# Altium PCB rezerv.PcbDoc (part 1 of 2) (continued)
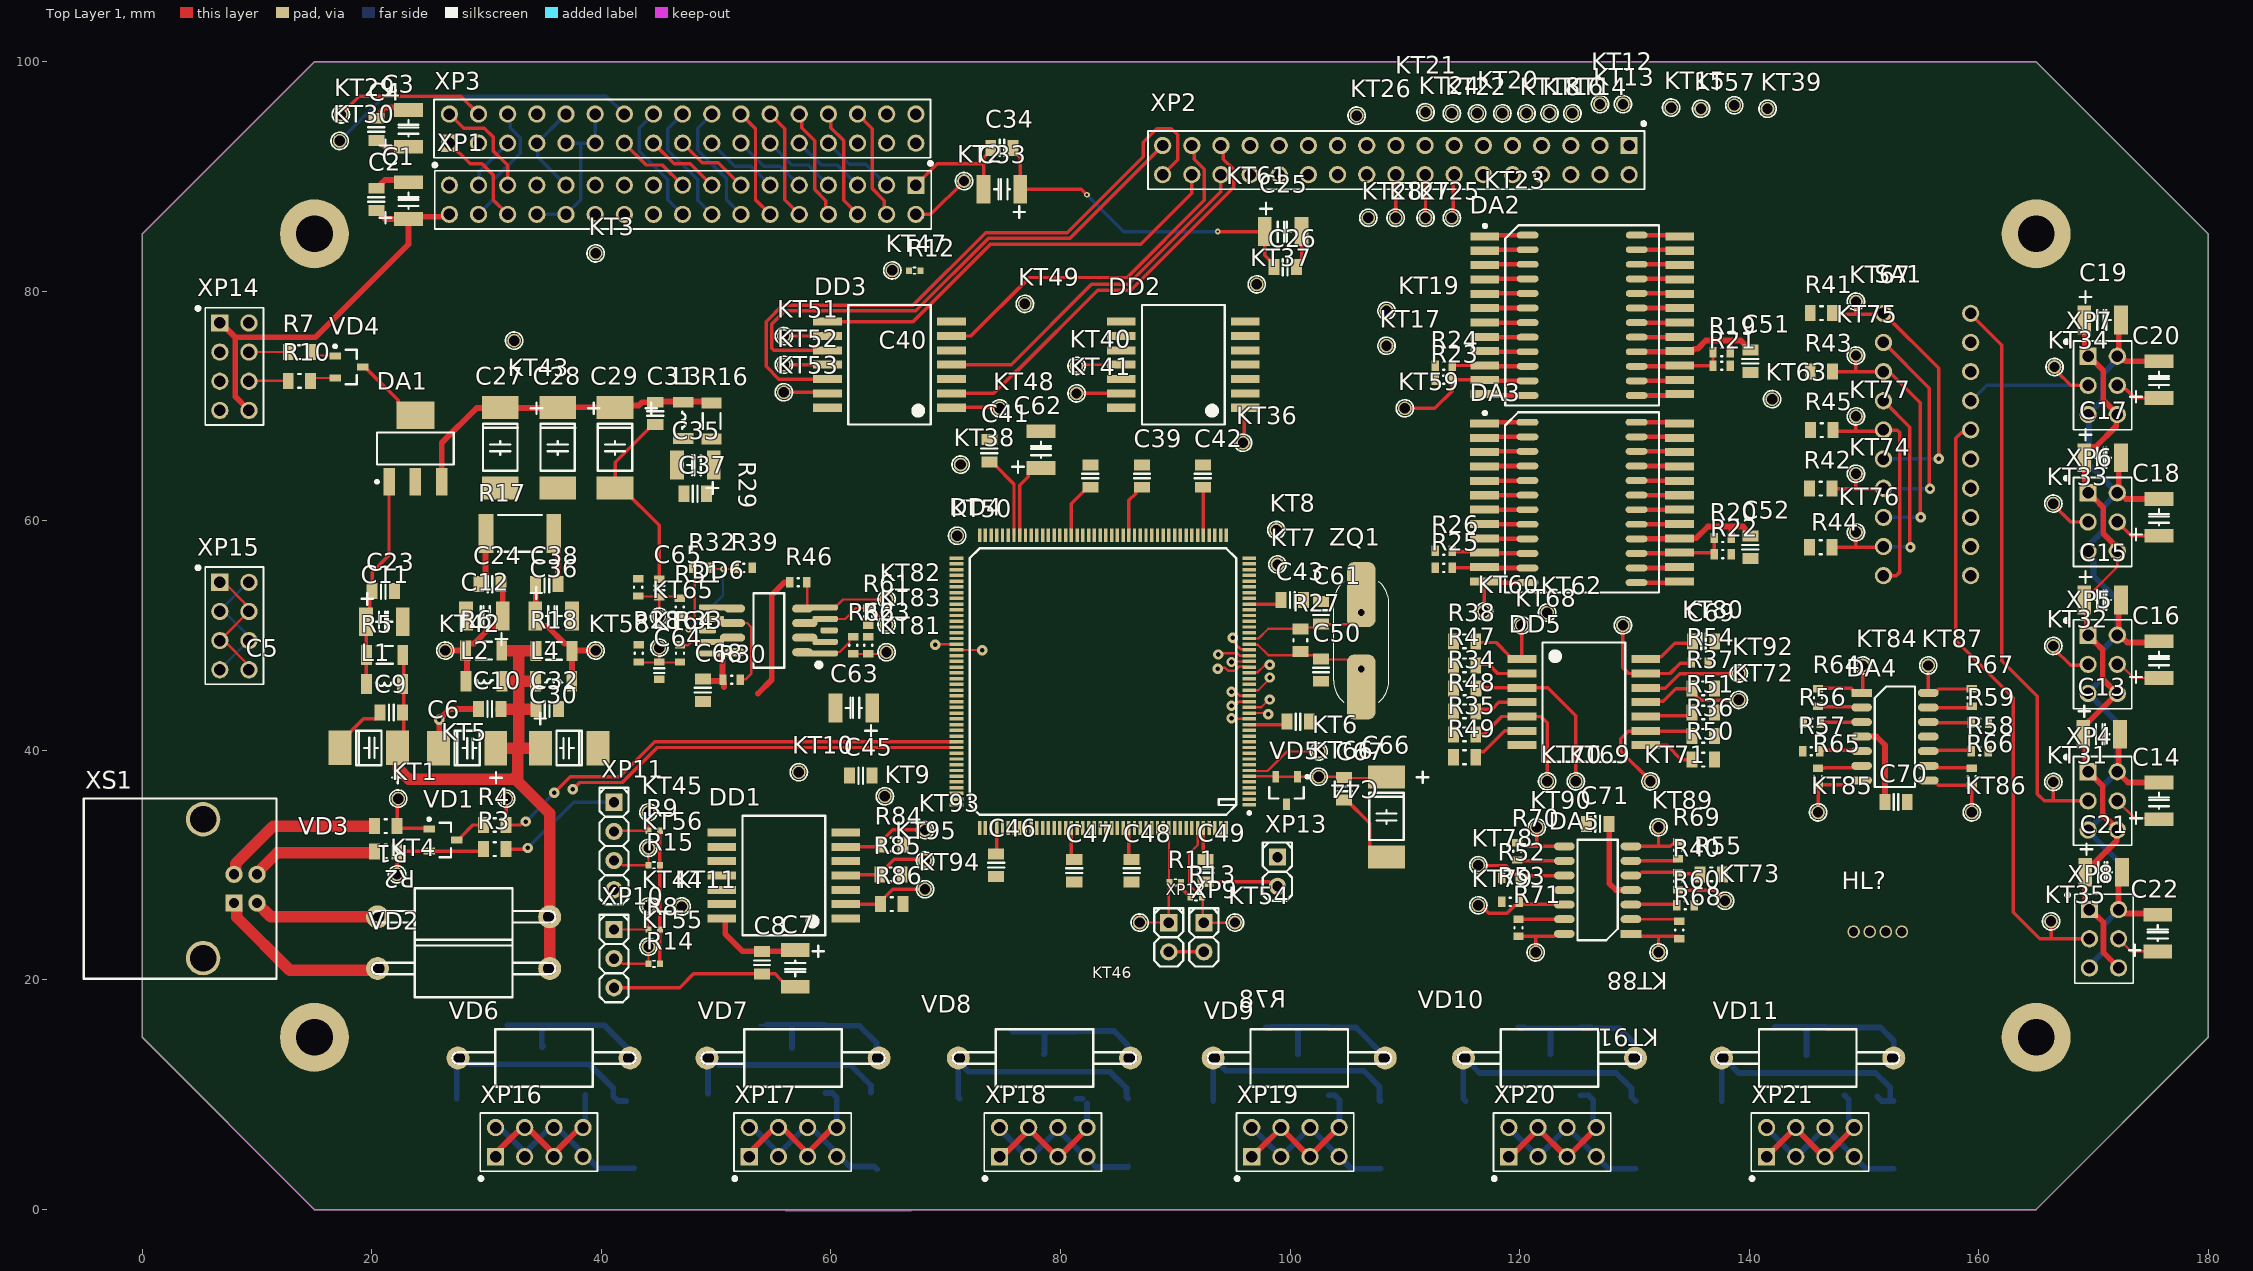
[diagram p0: Top Layer 1 view]
## Part data (continued)
HL?: library part 90, "Светодиод RGB с общим анодом BL-L515RGBW-CA", Manufacturer="Betlux Electronics", Package=6mm, PartNumber="Светодиод BL-L515RGBW-CС", ComponentLink1Description=BL-L515, ComponentLink1URL="\\192.168.0.101\U_Base\PDF\V\BetLux Electronics.pdf", DataSheet="#\\192.168.0.101\U_Base\PDF\V\BetLux Electronics.pdf#", Group=Светодиоды, HelpURL="\\192.168.0.101\U_Base\PDF\V\BetLux Electronics.pdf", Key=90, MilitaryControl=ОТК, Modify=14.03.2019, MountType=РМ, Name=BL-L515, Notice="Betlux Electronics", SolderName=BL-L515, ViewControl="В, 10%", X_SORT_1=500, X_SORT_2=301, X_SORT_3=1
KT1 KT2 KT3 KT4 KT5 KT6 KT7 KT8 KT9 KT10 KT11 KT12 KT13 KT14 KT15 KT16 KT17 KT18 KT19 KT20 KT21 KT22 KT23 KT24 KT25 KT26 KT27 KT28 KT29 KT30 KT31 KT32 KT33 KT34 KT35 KT36 KT37 KT38 KT39 KT40 KT41 KT42 KT43 KT44 KT45 KT46 KT47 KT48 KT49 KT50 KT51 KT52 KT53 KT54 KT55 KT56 KT57 KT58 KT59 KT60 KT61 KT62 KT63 KT64 KT65 KT66 KT67 KT68 KT69 KT70 KT71 KT72 KT73 KT74 KT75 KT76 KT77 KT78 KT79 KT80 KT81 KT82 KT83 KT84 KT85 KT86 KT87 KT88 KT89 KT90 KT91 KT92 KT93 KT94 KT95: library part 4, PartNumber=Контакт, Key=4, SolderName=Kontakt
L1 L2 L3 L4: library part 4177, CurrentLimit=1,5, Manufacturer=Murata, Package="1206 (3216)", PartNumber=BLM31PG601SH1, TemperatureRange="от минус 55 до 125", CardKRR=86, ComponentLink1URL=\\192.168.0.253\U_Base\PDF\L\BLM31PG.pdf, DataSheet=#\\192.168.0.253\U_Base\PDF\L\BLM31PG.pdf#, Group=Индуктивности, HelpURL=\\192.168.0.253\U_Base\PDF\L\BLM31PG.pdf, Key=4177, Mass=0,025, MilitaryControl=ОТК, Modify=20.02.2019, MountType=ПМ, Name=BLM31PG601SH1, Notice=Murata, SolderName=BLM31PG601SH1, ViewControl="В, 10%", X_SORT_1=300, X_SORT_2=701, X_SORT_3=1
R1 R2 R7 R10: library part 2235, Manufacturer="АО «Ресурс»", ManufacturerTU=ШКАБ.434110.020ТУ, Package="0805 (2012)", PartNumber="Перемычка Р1-23-0805", PowerLimit=0,125, SolderTemperature=175, TemperatureRange="от минус 65 до 155", VoltageLimit=150, Alternative="0805 0 Ом", CardKRR=68, ComponentLink1Description=Р1-23, ComponentLink1URL=\\192.168.0.101\U_Base\PDF\R\Р1-23.pdf, DataSheet=#\\192.168.0.101\U_Base\PDF\R\Р1-23.pdf#, Group=Резисторы, HelpURL=\\192.168.0.101\U_Base\PDF\R\Р1-23.pdf, Key=2235, Mark=0, Mass=0,006, MilitaryControl=ВП, Modify=17.10.2018, MountType=ПМ, Name=Р1-23, SolderName=R1-23-0805, ViewControl="В, 10%", X_SORT_1=400, X_SORT_2=100, X_SORT_3=1
R3: library part 2960, Manufacturer="АО «НПО «Эркон»", ManufacturerTU=ОЖ0.467.164ТУ, Package="0805 (2012)", PartNumber="Р1-8В-0,125-1,5 кОм±5 %-Т-А", PowerLimit=0,125, SolderTemperature=255, TemperatureRange="от минус 65 до 155", VoltageLimit=150, Alternative="0805 1,5 кОм, 0,125 Вт, ±5 %", Alternative2="Р1-8В-0,125-1,5 кОм±5 %-Т-А ОЖ0.467.164ТУ", CardKRR=68, ComponentLink1Description=Р1-8В, ComponentLink1URL=\\192.168.0.101\U_Base\PDF\R\Р1-8В.pdf, DataSheet=#\\192.168.0.101\U_Base\PDF\R\Р1-8В.pdf#, Group=Резисторы, HelpURL=\\192.168.0.101\U_Base\PDF\R\Р1-8В.pdf, Key=2960, Mark=152, Mass=0,006, MilitaryControl=ВП, Modify=28.06.2019, MountType=ПМ, Name=Р1-8В, SolderName=R1-8B-0.125-1.5kOm, ViewControl="В, 10%", X_SORT_1=400, X_SORT_2=100, X_SORT_3=1
R4: library part 2965, Manufacturer="АО «НПО «Эркон»", ManufacturerTU=ОЖ0.467.164ТУ, Package="0805 (2012)", PartNumber="Р1-8В-0,125-100 кОм±5 %-Т-А", PowerLimit=0,125, SolderTemperature=255, TemperatureRange="от минус 65 до 155", VoltageLimit=150, Alternative="0805 100 кОм, 0,125 Вт, ±5 %", Alternative2="Р1-8В-0,125-100 кОм±5 %-Т-А ОЖ0.467.164ТУ", CardKRR=68, ComponentLink1Description=Р1-8В, ComponentLink1URL=\\192.168.0.101\U_Base\PDF\R\Р1-8В.pdf, DataSheet=#\\192.168.0.101\U_Base\PDF\R\Р1-8В.pdf#, Group=Резисторы, HelpURL=\\192.168.0.101\U_Base\PDF\R\Р1-8В.pdf, Key=2965, Mark=104, Mass=0,006, MilitaryControl=ВП, Modify=28.06.2019, MountType=ПМ, Name=Р1-8В, SolderName=R1-8B-0.125-100kOm, ViewControl="В, 10%", X_SORT_1=400, X_SORT_2=100, X_SORT_3=1
R5 R6 R16 R18: library part 3037, Manufacturer="АО «НПО «Эркон»", ManufacturerTU=ОЖ0.467.164ТУ, Package="1206 (3216)", PartNumber="Р1-8В-0,25-100 Ом±5 %-Т-А", PowerLimit=0,25, SolderTemperature=255, TemperatureRange="от минус 65 до 155", VoltageLimit=200, Alternative="1206 100 Ом, 0,25 Вт, ±5 %", Alternative2="Р1-8В-0,25-100 Ом±5 %-Т-А ОЖ0.467.164ТУ", CardKRR=68, ComponentLink1Description=Р1-8В, ComponentLink1URL=\\192.168.0.253\U_Base\PDF\R\Р1-8В.pdf, DataSheet=\\192.168.0.253\U_Base\PDF\R\Р1-8В.pdf, Group=Резисторы, HelpURL=\\192.168.0.253\U_Base\PDF\R\Р1-8В.pdf, Key=3037, Mark=101, Mass=0,01, MilitaryControl=ВП, Modify=28.06.2019, MountType=ПМ, Name=Р1-8В, SolderName=R1-8B-0.25-100Om, ViewControl="В, 10%", X_SORT_1=400, X_SORT_2=100, X_SORT_3=1
R8 R9 R11 R12 R13 R14 R15: library part 2905, Manufacturer="АО «НПО «Эркон»", ManufacturerTU=ОЖ0.467.164ТУ, Package="0402 (1005)", PartNumber="Р1-8В-0,063-10 кОм±5 %-Т-А", PowerLimit=0,063, SolderTemperature=255, TemperatureRange="от минус 65 до 155", VoltageLimit=50, Alternative="0402 10 кОм, 0,062 Вт, ±5 %", Alternative2="Р1-8В-0,062-10 кОм±5 %-Т-А ОЖ0.467.164ТУ", CardKRR=68, ComponentLink1Description=Р1-8В, ComponentLink1URL=\\192.168.0.253\U_Base\PDF\R\Р1-8В.pdf, DataSheet=#\\192.168.0.253\U_Base\PDF\R\Р1-8В.pdf#, Group=Резисторы, HelpURL=\\192.168.0.253\U_Base\PDF\R\Р1-8В.pdf, Key=2905, Mark=103, Mass=0,0007, MilitaryControl=ВП, Modify=28.06.2019, MountType=ПМ, Name=Р1-8В, SolderName=R1-8B-0.063-10kOm, ViewControl="В, 10%", X_SORT_1=400, X_SORT_2=100, X_SORT_3=1
R17 R72 R73 R74 R75 R76 R77 R78 R79 R80 R81 R82 R83 R87 R88 R89 R90 R91 R92 R93 R94 R95 R96 R97 R98: library part 3121, Manufacturer="АО «НПО «Эркон»", ManufacturerTU=ОЖ0.467.164ТУ, Package="2512 (6432)", PartNumber="Р1-8В-1,0-0,15 Ом±20 %-А", PowerLimit=1, SolderTemperature=255, TemperatureRange="от минус 65 до 155", VoltageLimit=200, Alternative="2512 0,15 Ом, 1 Вт, ±5 %", Alternative2="Р1-8В-1,0-0,15 Ом±20 %-А ОЖ0.467.164ТУ", CardKRR=68, ComponentLink1Description=Р1-8В, ComponentLink1URL=\\192.168.0.253\U_Base\PDF\R\Р1-8В.pdf, DataSheet=\\192.168.0.253\U_Base\PDF\R\Р1-8В.pdf, Group=Резисторы, HelpURL=\\192.168.0.253\U_Base\PDF\R\Р1-8В.pdf, Key=3121, Mark=0R15, Mass=0,04, MilitaryControl=ВП, Modify=28.06.2019, MountType=ПМ, Name=Р1-8В, SolderName=R1-8B-1.0-0.15Om, ViewControl="В, 10%", X_SORT_1=400, X_SORT_2=100, X_SORT_3=1
R19 R20: library part 2939, Manufacturer="АО «НПО «Эркон»", ManufacturerTU=ОЖ0.467.164ТУ, Package="0603 (1608)", PartNumber="Р1-8В-0,1-1 кОм±5 %-Т-А", PowerLimit=0,1, SolderTemperature=255, TemperatureRange="от минус 65 до 155", VoltageLimit=100, Alternative="0603 1 кОм, 0,1 Вт, ±5 %", Alternative2="Р1-8В-0,1-1 кОм±5 %-Т-А ОЖ0.467.164ТУ", CardKRR=68, ComponentLink1Description=Р1-8В, ComponentLink1URL=\\192.168.0.253\U_Base\PDF\R\Р1-8В.pdf, DataSheet=\\192.168.0.253\U_Base\PDF\R\Р1-8В.pdf, Group=Резисторы, HelpURL=\\192.168.0.253\U_Base\PDF\R\Р1-8В.pdf, Key=2939, Mark=102, Mass=0,002, MilitaryControl=ВП, Modify=28.06.2019, MountType=ПМ, Name=Р1-8В, SolderName=R1-8B-0.1-1kOm, ViewControl="В, 10%", X_SORT_1=400, X_SORT_2=100, X_SORT_3=1
R21 R22: library part 2945, Manufacturer="АО «НПО «Эркон»", ManufacturerTU=ОЖ0.467.164ТУ, Package="0603 (1608)", PartNumber="Р1-8В-0,1-100 кОм±5 %-Т-А", PowerLimit=0,1, SolderTemperature=255, TemperatureRange="от минус 65 до 155", VoltageLimit=100, Alternative="0603 100 кОм, 0,1 Вт, ±5 %", Alternative2="Р1-8В-0,1-100 кОм±5 %-Т-А ОЖ0.467.164ТУ", CardKRR=68, ComponentLink1Description=Р1-8В, ComponentLink1URL=\\192.168.0.253\U_Base\PDF\R\Р1-8В.pdf, DataSheet=\\192.168.0.253\U_Base\PDF\R\Р1-8В.pdf, Group=Резисторы, HelpURL=\\192.168.0.253\U_Base\PDF\R\Р1-8В.pdf, Key=2945, Mark=104, Mass=0,002, MilitaryControl=ВП, Modify=28.06.2019, MountType=ПМ, Name=Р1-8В, SolderName=R1-8B-0.1-100kOm, ViewControl="В, 10%", X_SORT_1=400, X_SORT_2=100, X_SORT_3=1
R23 R24 R25 R26 R30 R32 R39 R40 R46 R52 R53 R54 R61 R69 R70 R71: library part 2943, Manufacturer="АО «НПО «Эркон»", ManufacturerTU=ОЖ0.467.164ТУ, Package="0603 (1608)", PartNumber="Р1-8В-0,1-10 кОм±5 %-Т-А", PowerLimit=0,1, SolderTemperature=255, TemperatureRange="от минус 65 до 155", VoltageLimit=100, Alternative="0603 10 кОм, 0,1 Вт, ±5 %", Alternative2="Р1-8В-0,1-10 кОм±5 %-Т-А ОЖ0.467.164ТУ", CardKRR=68, ComponentLink1Description=Р1-8В, ComponentLink1URL=\\192.168.0.253\U_Base\PDF\R\Р1-8В.pdf, DataSheet=\\192.168.0.253\U_Base\PDF\R\Р1-8В.pdf, Group=Резисторы, HelpURL=\\192.168.0.253\U_Base\PDF\R\Р1-8В.pdf, Key=2943, Mark=103, Mass=0,002, MilitaryControl=ВП, Modify=28.06.2019, MountType=ПМ, Name=Р1-8В, SolderName=R1-8B-0.1-10kOm, ViewControl="В, 10%", X_SORT_1=400, X_SORT_2=100, X_SORT_3=1
R27 R34 R35 R36 R37 R38: library part 32904893, Manufacturer="АО «НПО «Эркон»", ManufacturerTU=ОЖ0.467.164ТУ, PartNumber="Р1-8В-0,125-10 МОм±5 %-Т-А", PowerLimit=0,125, SolderTemperature=255, TemperatureRange="от минус 65 до 155", VoltageLimit=150, Alternative="0805 10 МОм, 0,125 Вт, ±5 %", CardKRR=68, ComponentLink1Description=Р1-8В, ComponentLink1URL=\\192.168.0.253\U_Base\PDF\R\Р1-8В.pdf, DataSheet=\\192.168.0.253\U_Base\PDF\R\Р1-8В.pdf, Group=Резисторы, HelpURL=\\192.168.0.253\U_Base\PDF\R\Р1-8В.pdf, Key=32904893, MilitaryControl=ВП, Modify=28.06.2019, MountType=ПМ, Name=Р1-8В, SolderName=R1-8B-0.125-10MOm, ViewControl="В, 10%", X_SORT_1=400, X_SORT_2=100, X_SORT_3=1
R28 R29 R31 R33: library part 2944, Manufacturer="АО «НПО «Эркон»", ManufacturerTU=ОЖ0.467.164ТУ, Package="0603 (1608)", PartNumber="Р1-8В-0,1-10 Ом±5 %-Т-А", PowerLimit=0,1, SolderTemperature=255, TemperatureRange="от минус 65 до 155", VoltageLimit=100, Alternative="0603 10 Ом, 0,1 Вт, ±5 %", Alternative2="Р1-8В-0,1-10 Ом±5 %-Т-А ОЖ0.467.164ТУ", CardKRR=68, ComponentLink1Description=Р1-8В, ComponentLink1URL=\\192.168.0.253\U_Base\PDF\R\Р1-8В.pdf, DataSheet=\\192.168.0.253\U_Base\PDF\R\Р1-8В.pdf, Group=Резисторы, HelpURL=\\192.168.0.253\U_Base\PDF\R\Р1-8В.pdf, Key=2944, Mark=100, Mass=0,002, MilitaryControl=ВП, Modify=28.06.2019, MountType=ПМ, Name=Р1-8В, SolderName=R1-8B-0.1-10Om, ViewControl="В, 10%", X_SORT_1=400, X_SORT_2=100, X_SORT_3=1
R41 R42 R43 R44 R45 R47 R48 R49 R50 R51 R84 R85 R86: library part 2957, Manufacturer="АО «НПО «Эркон»", ManufacturerTU=ОЖ0.467.164ТУ, Package="0805 (2012)", PartNumber="Р1-8В-0,125-1 кОм±5 %-Т-А", PowerLimit=0,125, SolderTemperature=255, TemperatureRange="от минус 65 до 155", VoltageLimit=150, Alternative="0805 1 кОм, 0,125 Вт, ±5 %", Alternative2="Р1-8В-0,125-1 кОм±5 %-Т-А ОЖ0.467.164ТУ", CardKRR=68, ComponentLink1Description=Р1-8В, ComponentLink1URL=\\192.168.0.253\U_Base\PDF\R\Р1-8В.pdf, DataSheet=\\192.168.0.253\U_Base\PDF\R\Р1-8В.pdf, Group=Резисторы, HelpURL=\\192.168.0.253\U_Base\PDF\R\Р1-8В.pdf, Key=2957, Mark=102, Mass=0,006, MilitaryControl=ВП, Modify=28.06.2019, MountType=ПМ, Name=Р1-8В, SolderName=R1-8B-0.125-1kOm, ViewControl="В, 10%", X_SORT_1=400, X_SORT_2=100, X_SORT_3=1
R55: library part 2978, Manufacturer="АО «НПО «Эркон»", ManufacturerTU=ОЖ0.467.164ТУ, Package="0805 (2012)", PartNumber="Р1-8В-0,125-220 кОм±5 %-Т-А", PowerLimit=0,125, SolderTemperature=255, TemperatureRange="от минус 65 до 155", VoltageLimit=150, Alternative="0805 220 кОм, 0,125 Вт, ±5 %", Alternative2="Р1-8В-0,125-220 кОм±5 %-Т-А ОЖ0.467.164ТУ", CardKRR=68, ComponentLink1Description=Р1-8В, ComponentLink1URL=\\192.168.0.101\U_Base\PDF\R\Р1-8В.pdf, DataSheet=#\\192.168.0.101\U_Base\PDF\R\Р1-8В.pdf#, Group=Резисторы, HelpURL=\\192.168.0.101\U_Base\PDF\R\Р1-8В.pdf, Key=2978, Mark=224, Mass=0,006, MilitaryControl=ВП, Modify=28.06.2019, MountType=ПМ, Name=Р1-8В, SolderName=R1-8B-0.125-220kOm, ViewControl="В, 10%", X_SORT_1=400, X_SORT_2=100, X_SORT_3=1
R56 R57 R58 R59 R60: library part 2941, Manufacturer="АО «НПО «Эркон»", ManufacturerTU=ОЖ0.467.164ТУ, Package="0603 (1608)", PartNumber="Р1-8В-0,1-1,5 кОм±5 %-Т-А", PowerLimit=0,1, SolderTemperature=255, TemperatureRange="от минус 65 до 155", VoltageLimit=100, Alternative="0603 1,5 кОм, 0,1 Вт, ±5 %", Alternative2="Р1-8В-0,1-1,5 кОм±5 %-Т-А ОЖ0.467.164ТУ", CardKRR=68, ComponentLink1Description=Р1-8В, ComponentLink1URL=\\192.168.0.101\U_Base\PDF\R\Р1-8В.pdf, DataSheet=#\\192.168.0.101\U_Base\PDF\R\Р1-8В.pdf#, Group=Резисторы, HelpURL=\\192.168.0.101\U_Base\PDF\R\Р1-8В.pdf, Key=2941, Mark=152, Mass=0,002, MilitaryControl=ВП, Modify=28.06.2019, MountType=ПМ, Name=Р1-8В, SolderName=R1-8B-0.1-1.5kOm, ViewControl="В, 10%", X_SORT_1=400, X_SORT_2=100, X_SORT_3=1
R62: library part 3011, Manufacturer="АО «НПО «Эркон»", ManufacturerTU=ОЖ0.467.164ТУ, Package="0603 (1608)", PartNumber="Р1-8В-0,1-3,3 кОм±5 %-Т-А", PowerLimit=0,1, SolderTemperature=255, TemperatureRange="от минус 65 до 155", VoltageLimit=100, Alternative="0603 3,3 кОм, 0,1 Вт, ±5 %", Alternative2="Р1-8В-0,1-3,3 кОм±5 %-Т-А ОЖ0.467.164ТУ", CardKRR=68, ComponentLink1Description=Р1-8В, ComponentLink1URL=\\192.168.0.253\U_Base\PDF\R\Р1-8В.pdf, DataSheet=\\192.168.0.253\U_Base\PDF\R\Р1-8В.pdf, Group=Резисторы, HelpURL=\\192.168.0.253\U_Base\PDF\R\Р1-8В.pdf, Key=3011, Mark=332, Mass=0,002, MilitaryControl=ВП, Modify=28.06.2019, MountType=ПМ, Name=Р1-8В, SolderName=R1-8B-0.1-3.3kOm, ViewControl="В, 10%", X_SORT_1=400, X_SORT_2=100, X_SORT_3=1
R63: library part 3024, Manufacturer="АО «НПО «Эркон»", ManufacturerTU=ОЖ0.467.164ТУ, Package="0603 (1608)", PartNumber="Р1-8В-0,1-6,8 кОм±5 %-Т-А", PowerLimit=0,1, SolderTemperature=255, TemperatureRange="от минус 65 до 155", VoltageLimit=100, Alternative="0603 6,8 кОм, 0,1 Вт, ±5 %", Alternative2="Р1-8В-0,1-6,8 кОм±5 %-Т-А ОЖ0.467.164ТУ", CardKRR=68, ComponentLink1Description=Р1-8В, ComponentLink1URL=\\192.168.0.253\U_Base\PDF\R\Р1-8В.pdf, DataSheet=\\192.168.0.253\U_Base\PDF\R\Р1-8В.pdf, Group=Резисторы, HelpURL=\\192.168.0.253\U_Base\PDF\R\Р1-8В.pdf, Key=3024, Mark=682, Mass=0,002, MilitaryControl=ВП, Modify=28.06.2019, MountType=ПМ, Name=Р1-8В, SolderName=R1-8B-0.1-6.8kOm, ViewControl="В, 10%", X_SORT_1=400, X_SORT_2=100, X_SORT_3=1
R64 R65 R66 R67 R68: library part 3017, Manufacturer="АО «НПО «Эркон»", ManufacturerTU=ОЖ0.467.164ТУ, Package="0603 (1608)", PartNumber="Р1-8В-0,1-4,7 кОм±5 %-Т-А", PowerLimit=0,1, SolderTemperature=255, TemperatureRange="от минус 65 до 155", VoltageLimit=100, Alternative="0603 4,7 кОм, 0,1 Вт, ±5 %", Alternative2="Р1-8В-0,1-4,7 кОм±5 %-Т-А ОЖ0.467.164ТУ", CardKRR=68, ComponentLink1Description=Р1-8В, ComponentLink1URL=\\192.168.0.101\U_Base\PDF\R\Р1-8В.pdf, DataSheet=#\\192.168.0.101\U_Base\PDF\R\Р1-8В.pdf#, Group=Резисторы, HelpURL=\\192.168.0.101\U_Base\PDF\R\Р1-8В.pdf, Key=3017, Mark=472, Mass=0,002, MilitaryControl=ВП, Modify=28.06.2019, MountType=ПМ, Name=Р1-8В, SolderName=R1-8B-0.1-4.7kOm, ViewControl="В, 10%", X_SORT_1=400, X_SORT_2=100, X_SORT_3=1
SA1: library part 58, Manufacturer="Connfly electronic", PartNumber="Переключатель DS1040-10RN", TemperatureRange="от минус 25 до 80", ComponentLink1URL=\\192.168.0.101\U_Base\PDF\OTHER\DS1040.pdf, DataSheet=#\\192.168.0.101\U_Base\PDF\OTHER\DS1040.pdf#, Group=Переключатель, HelpURL=\\192.168.0.101\U_Base\PDF\OTHER\DS1040.pdf, Key=58, MilitaryControl=ОТК, Modify=05.09.2022, MountType=РМ, Name=DS1040-10RN, SolderName=DS1040-10RN, ViewControl=В,100%
VD1 VD4 VD5: library part 15, Manufacturer="ООО «Крип Техно»", ManufacturerTU=аА0.339.582ТУ, Package=SOT23, PartNumber="Набор диодов 2Д706АС9", TemperatureRange="от минус 60 до 125", Alternative="КД706АС9 аА0.336.543ТУ", Alternative2=BAW56LT1G, CardKRR=55, ComponentLink1Description=2Д706АС9, ComponentLink1URL=\\192.168.0.253\U_Base\PDF\V\2Д706АС9.pdf, DataSheet=#\\192.168.0.253\U_Base\PDF\V\2Д706АС9.pdf#, Group=Диоды, HelpURL=\\192.168.0.253\U_Base\PDF\V\2Д706АС9.pdf, Key=15, Mass=0,009, MilitaryControl=ВП, Modify=14.03.2019, MountType=ПМ, Name=2Д706АС9, SolderName=2D706AS9, ViewControl="В, 10%", X_SORT_1=500, X_SORT_2=300, X_SORT_3=1
VD2 VD3 VD6 VD7 VD8 VD9 VD10 VD11: library part 93, Manufacturer=MIC, Package=DO-201, PartNumber=HER307, SolderTemperature=260, TemperatureRange="от минус 65 до 150", CardKRR=55, ComponentLink1Description=HER307, ComponentLink1URL=\\192.168.0.101\U_Base\PDF\V\HER307.pdf, DataSheet=#\\192.168.0.101\U_Base\PDF\V\HER307.pdf#, Group=Диоды, HelpURL=\\192.168.0.101\U_Base\PDF\V\HER307.pdf, Key=93, MilitaryControl=ОТК, Modify=14.03.2019, MountType=РМ, Name=HER307, Notice="DC Components", SolderName=HER307, ViewControl="В, 10%", X_SORT_1=500, X_SORT_2=300, X_SORT_3=1
XP1 XP2 XP3: library part 57, CurrentLimit=1, Manufacturer="АО «Карачевский завод Электродеталь»", ManufacturerTU=РЮМК.430420.011ТУ, Package=PLD, PartNumber="Вилка СНП346-34ВП22-2-В", PowerLimit=250, TemperatureRange="от минус 60 до 85", Alternative=PLD-34, Alternative2="СНП346-34ВП22-2 РЮМК.430420.019ТУ", CardKRR=75, ComponentLink1Description=СНП346, ComponentLink1URL=\\192.168.0.101\U_Base\PDF\X\СНП346.pdf, Conn35Name=35, Conn36Name=36, Conn37Name=37, Conn38Name=38, Conn39Name=39, Conn40Name=40, DataSheet=#\\192.168.0.101\U_Base\PDF\X\СНП346.pdf#, Group=Соединители, HelpURL=\\192.168.0.101\U_Base\PDF\X\СНП346.pdf, Key=57, Mass=0,00204, MilitaryControl=ВП, Modify=19.09.2018, MountType=РМ, Name=СНП346-34ВП22-2-В, SolderName=SNP346-34VP22-2, ViewControl="В, 10%", VoltageLimit=250, X_SORT_1=700, X_SORT_2=600, X_SORT_3=1
  XP1: Conn01Name=GND, Conn02Name=5V, Conn03Name=D1, Conn04Name=D0, Conn05Name=D3, Conn06Name=D2, Conn07Name=D5, Conn08Name=D4, Conn09Name=D7, Conn10Name=D6, Conn11Name=D9, Conn12Name=D8, Conn13Name=D11, Conn14Name=D10, Conn15Name=D13, Conn16Name=D12, Conn17Name=D15, Conn18Name=D14, Conn19Name=RS, Conn20Name=WR, Conn21Name=LCD-CS, Conn22Name=RD, Conn23Name=NC, Conn24Name=RST, Conn25Name=GND, Conn26Name=BL-VCC, Conn27Name=TP-IRQ, Conn28Name=BL-CTRL, Conn29Name=TP-SCK, Conn30Name=TP-CS, Conn31Name=TP-SDO, Conn32Name=TP-SDI, Conn33Name=GND, Conn34Name=3V3
  XP2: Conn01Name=GND, Conn02Name=3.3V_D, Conn03Name=PAGE_UP, Conn04Name=PROG1, Conn05Name=PROG2, Conn06Name=PROG3, Conn07Name=PROG4, Conn08Name=PROG5, Conn09Name=PROG6, Conn10Name=PAGE_DOWN, Conn11Name=CH1(1)_ON, Conn12Name=CH1(1)_REV, Conn13Name=CH1(2)_ON, Conn14Name=CH1(2)_REV, Conn15Name=CH2(1)_ON, Conn16Name=CH2(1)_REV, Conn17Name=CH2(2)_ON, Conn18Name=CH2(2)_REV, Conn19Name=CALIBR_TP, Conn20Name=LED_PWR_R, Conn21Name=LED_PWR_G, Conn22Name=LED_PWR_B, Conn23Name=LED_CH1(1)_R, Conn24Name=LED_CH1(1)_G, Conn25Name=LED_CH1(1)_B, Conn26Name=LED_CH2(1)_R, Conn27Name=LED_CH2(1)_G, Conn28Name=LED_CH2(1)_B, Conn29Name=LED_CH1(2)_R, Conn30Name=LED_CH1(2)_G, Conn31Name=LED_CH1(2)_B, Conn32Name=LED_CH2(2)_R, Conn33Name=LED_CH2(2)_G, Conn34Name=LED_CH2(2)_B
  XP3: Conn01Name=T_CS, Conn02Name=CLK, Conn03Name=PEN, Conn04Name=F_CS, Conn05Name=MISO, Conn06Name=MOSI, Conn07Name=GND, Conn08Name=NC, Conn09Name=VDD, Conn10Name=GND, Conn11Name=BL, Conn12Name=VDD, Conn13Name=DB15, Conn14Name=SDCS, Conn15Name=DB13, Conn16Name=DB14, Conn17Name=DB11, Conn18Name=DB12, Conn19Name=DB9, Conn20Name=DB10, Conn21Name=DB7, Conn22Name=DB8, Conn23Name=DB5, Conn24Name=DB6, Conn25Name=DB3, Conn26Name=DB4, Conn27Name=DB1, Conn28Name=DB2, Conn29Name=RST, Conn30Name=DB0, Conn31Name=WR, Conn32Name=RD, Conn33Name=CS, Conn34Name=RS
XP4 XP5 XP6 XP7 XP8: library part 43, CurrentLimit=1, Manufacturer="АО «Карачевский завод Электродеталь»", ManufacturerTU=РЮМК.430420.011ТУ, Package=PLD, PartNumber="Вилка СНП346-6ВП22-2-В", PowerLimit=250, TemperatureRange="от минус 60 до 85", Alternative=PLD-6, Alternative2="СНП346-6ВП22-2 РЮМК.430420.019ТУ", CardKRR=75, ComponentLink1Description=СНП346, ComponentLink1URL=\\192.168.0.101\U_Base\PDF\X\СНП346.pdf, Conn01Name=+3.3V_A, Conn02Name=GNDA, Conn05Name=GNDA, Conn06Name=+3.3V_A, Conn07Name=7, Conn08Name=8, Conn09Name=9, Conn10Name=10, Conn11Name=11, Conn12Name=12, Conn13Name=13, Conn14Name=14, Conn15Name=15, Conn16Name=16, Conn17Name=17, Conn18Name=18, Conn19Name=19, Conn20Name=20, Conn21Name=21, Conn22Name=22, Conn23Name=23, Conn24Name=24, Conn25Name=25, Conn26Name=26, Conn27Name=27, Conn28Name=28, Conn29Name=29, Conn30Name=30, Conn31Name=31, Conn32Name=32, Conn33Name=33, Conn34Name=34, Conn35Name=35, Conn36Name=36, Conn37Name=37, Conn38Name=38, Conn39Name=39, Conn40Name=40, DataSheet=#\\192.168.0.101\U_Base\PDF\X\СНП346.pdf#, Group=Соединители, HelpURL=\\192.168.0.101\U_Base\PDF\X\СНП346.pdf, Key=43, Mass=0,00036, MilitaryControl=ВП, Modify=19.09.2018, MountType=РМ, Name=СНП346-6ВП22-2-В, SolderName=SNP346-6VP22-2, ViewControl="В, 10%", VoltageLimit=250, X_SORT_1=700, X_SORT_2=600, X_SORT_3=1
  XP4: Conn03Name=LEV_CH1(1), Conn04Name=LEV_CH1(1)
  XP5: Conn03Name=LEV_CH2(1), Conn04Name=LEV_CH2(1)
  XP6: Conn03Name=LEV_CH1(2), Conn04Name=LEV_CH1(2)
  XP7: Conn03Name=LEV_CH2(2), Conn04Name=LEV_CH2(2)
  XP8: Conn03Name=LEV_SYNC, Conn04Name=LEV_SYNC
XP9 XP12 XP13: library part 2, CurrentLimit=1, Manufacturer="АО «Карачевский завод Электродеталь»", ManufacturerTU=РЮМК.430420.011ТУ, Package=PLS, PartNumber="Вилка СНП346-2ВП22-1-В", PowerLimit=250, TemperatureRange="от минус 60 до 85", Alternative=PLS-2, Alternative2="СНП346-2ВП22-1 РЮМК.430420.019ТУ", CardKRR=75, ComponentLink1Description=СНП346, ComponentLink1URL=\\192.168.0.253\U_Base\PDF\X\СНП346.pdf, Conn02Name=GND, Conn03Name=3, Conn04Name=4, Conn05Name=5, Conn06Name=6, Conn07Name=7, Conn08Name=8, Conn09Name=9, Conn10Name=10, Conn11Name=11, Conn12Name=12, Conn13Name=13, Conn14Name=14, Conn15Name=15, Conn16Name=16, Conn17Name=17, Conn18Name=18, Conn19Name=19, Conn20Name=20, Conn21Name=21, Conn22Name=22, Conn23Name=23, Conn24Name=24, Conn25Name=25, Conn26Name=26, Conn27Name=27, Conn28Name=28, Conn29Name=29, Conn30Name=30, Conn31Name=31, Conn32Name=32, Conn33Name=33, Conn34Name=34, Conn35Name=35, Conn36Name=36, Conn37Name=37, Conn38Name=38, Conn39Name=39, Conn40Name=40, DataSheet=#\\192.168.0.253\U_Base\PDF\X\СНП346.pdf#, Group=Соединители, HelpURL=\\192.168.0.253\U_Base\PDF\X\СНП346.pdf, Key=2, Mass=0,00012, MilitaryControl=ВП, Modify=19.09.2018, MountType=РМ, Name=СНП346-2ВП22-1-В, SolderName=SNP346-2VP22-1, ViewControl="В, 10%", VoltageLimit=250, X_SORT_1=700, X_SORT_2=600, X_SORT_3=1
  XP9: Conn01Name=PDR_ON
  XP12: Conn01Name=BOOT0
  XP13: Conn01Name=NRST
XP10: library part 3, CurrentLimit=1, Manufacturer="АО «Карачевский завод Электродеталь»", ManufacturerTU=РЮМК.430420.011ТУ, Package=PLS, PartNumber="Вилка СНП346-3ВП22-1-В", PowerLimit=250, TemperatureRange="от минус 60 до 85", Alternative=PLS-3, Alternative2="СНП346-3ВП22-1 РЮМК.430420.019ТУ", CardKRR=75, ComponentLink1Description=СНП346, ComponentLink1URL=\\192.168.0.253\U_Base\PDF\X\СНП346.pdf, Conn01Name=USART1_TX, Conn02Name=USART1_RX, Conn03Name=GND, Conn04Name=4, Conn05Name=5, Conn06Name=6, Conn07Name=7, Conn08Name=8, Conn09Name=9, Conn10Name=10, Conn11Name=11, Conn12Name=12, Conn13Name=13, Conn14Name=14, Conn15Name=15, Conn16Name=16, Conn17Name=17, Conn18Name=18, Conn19Name=19, Conn20Name=20, Conn21Name=21, Conn22Name=22, Conn23Name=23, Conn24Name=24, Conn25Name=25, Conn26Name=26, Conn27Name=27, Conn28Name=28, Conn29Name=29, Conn30Name=30, Conn31Name=31, Conn32Name=32, Conn33Name=33, Conn34Name=34, Conn35Name=35, Conn36Name=36, Conn37Name=37, Conn38Name=38, Conn39Name=39, Conn40Name=40, DataSheet=#\\192.168.0.253\U_Base\PDF\X\СНП346.pdf#, Group=Соединители, HelpURL=\\192.168.0.253\U_Base\PDF\X\СНП346.pdf, Key=3, Mass=0,00018, MilitaryControl=ВП, Modify=19.09.2018, MountType=РМ, Name=СНП346-3ВП22-1-В, SolderName=SNP346-3VP22-1, ViewControl="В, 10%", VoltageLimit=250, X_SORT_1=700, X_SORT_2=600, X_SORT_3=1
XP11: library part 4, CurrentLimit=1, Manufacturer="АО «Карачевский завод Электродеталь»", ManufacturerTU=РЮМК.430420.011ТУ, Package=PLS, PartNumber="Вилка СНП346-4ВП22-1-В", PowerLimit=250, TemperatureRange="от минус 60 до 85", Alternative=PLS-4, Alternative2="СНП346-4ВП22-1 РЮМК.430420.019ТУ", CardKRR=75, ComponentLink1Description=СНП346, ComponentLink1URL=\\192.168.0.253\U_Base\PDF\X\СНП346.pdf, Conn01Name=3.3V_D, Conn02Name=SWCLK, Conn03Name=SDIO, Conn04Name=GND, Conn05Name=5, Conn06Name=6, Conn07Name=7, Conn08Name=8, Conn09Name=9, Conn10Name=10, Conn11Name=11, Conn12Name=12, Conn13Name=13, Conn14Name=14, Conn15Name=15, Conn16Name=16, Conn17Name=17, Conn18Name=18, Conn19Name=19, Conn20Name=20, Conn21Name=21, Conn22Name=22, Conn23Name=23, Conn24Name=24, Conn25Name=25, Conn26Name=26, Conn27Name=27, Conn28Name=28, Conn29Name=29, Conn30Name=30, Conn31Name=31, Conn32Name=32, Conn33Name=33, Conn34Name=34, Conn35Name=35, Conn36Name=36, Conn37Name=37, Conn38Name=38, Conn39Name=39, Conn40Name=40, DataSheet=#\\192.168.0.253\U_Base\PDF\X\СНП346.pdf#, Group=Соединители, HelpURL=\\192.168.0.253\U_Base\PDF\X\СНП346.pdf, Key=4, Mass=0,00024, MilitaryControl=ВП, Modify=19.09.2018, MountType=РМ, Name=СНП346-4ВП22-1-В, SolderName=SNP346-4VP22-1, ViewControl="В, 10%", VoltageLimit=250, X_SORT_1=700, X_SORT_2=600, X_SORT_3=1
XP14 XP15 XP16 XP17 XP18 XP19 XP20 XP21: library part 44, CurrentLimit=1, Manufacturer="АО «Карачевский завод Электродеталь»", ManufacturerTU=РЮМК.430420.011ТУ, Package=PLD, PartNumber="Вилка СНП346-8ВП22-2-В", PowerLimit=250, TemperatureRange="от минус 60 до 85", Alternative=PLD-8, Alternative2="СНП346-8ВП22-2 РЮМК.430420.019ТУ", CardKRR=75, ComponentLink1Description=СНП346, ComponentLink1URL=\\192.168.0.101\U_Base\PDF\X\СНП346.pdf, Conn09Name=9, Conn10Name=10, Conn11Name=11, Conn12Name=12, Conn13Name=13, Conn14Name=14, Conn15Name=15, Conn16Name=16, Conn17Name=17, Conn18Name=18, Conn19Name=19, Conn20Name=20, Conn21Name=21, Conn22Name=22, Conn23Name=23, Conn24Name=24, Conn25Name=25, Conn26Name=26, Conn27Name=27, Conn28Name=28, Conn29Name=29, Conn30Name=30, Conn31Name=31, Conn32Name=32, Conn33Name=33, Conn34Name=34, Conn35Name=35, Conn36Name=36, Conn37Name=37, Conn38Name=38, Conn39Name=39, Conn40Name=40, DataSheet=#\\192.168.0.101\U_Base\PDF\X\СНП346.pdf#, Group=Соединители, HelpURL=\\192.168.0.101\U_Base\PDF\X\СНП346.pdf, Key=44, Mass=0,00048, MilitaryControl=ВП, Modify=19.09.2018, MountType=РМ, Name=СНП346-8ВП22-2-В, SolderName=SNP346-8VP22-2, ViewControl="В, 10%", VoltageLimit=250, X_SORT_1=700, X_SORT_2=600, X_SORT_3=1
  XP14: Conn01Name=3.3V_D, Conn02Name=GND, Conn03Name=SDIO, Conn04Name=SWCLK, Conn05Name=SWCLK, Conn06Name=SDIO, Conn07Name=GND, Conn08Name=3.3V_D
  XP15: Conn01Name=RS485_A, Conn02Name=RS485_B, Conn03Name=RS485_B, Conn04Name=RS485_A, Conn05Name=RS485_A, Conn06Name=RS485_B, Conn07Name=RS485_B, Conn08Name=RS485_A
  XP16: Conn01Name=CH1(1)+, Conn02Name=CH1(1)-, Conn03Name=CH1(1)-, Conn04Name=CH1(1)+, Conn05Name=CH1(1)+, Conn06Name=CH1(1)-, Conn07Name=CH1(1)-, Conn08Name=CH1(1)+
  XP17: Conn01Name=CH2(1)+, Conn02Name=CH2(1)-, Conn03Name=CH2(1)-, Conn04Name=CH2(1)+, Conn05Name=CH2(1)+, Conn06Name=CH2(1)-, Conn07Name=CH2(1)-, Conn08Name=CH2(1)+
  XP18: Conn01Name=CH1(2)+, Conn02Name=CH1(2)-, Conn03Name=CH1(2)-, Conn04Name=CH1(2)+, Conn05Name=CH1(2)+, Conn06Name=CH1(2)-, Conn07Name=CH1(2)-, Conn08Name=CH1(2)+
  XP19: Conn01Name=CH2(2)+, Conn02Name=CH2(2)-, Conn03Name=CH2(2)-, Conn04Name=CH2(2)+, Conn05Name=CH2(2)+, Conn06Name=CH2(2)-, Conn07Name=CH2(2)-, Conn08Name=CH2(2)+
  XP20: Conn01Name=OUT_SYNC+, Conn02Name=OUT_SYNC-, Conn03Name=OUT_SYNC-, Conn04Name=OUT_SYNC+, Conn05Name=OUT_SYNC+, Conn06Name=OUT_SYNC-, Conn07Name=OUT_SYNC-, Conn08Name=OUT_SYNC+
  XP21: Conn01Name=IN_SYNC+, Conn02Name=IN_SYNC-, Conn03Name=IN_SYNC-, Conn04Name=IN_SYNC+, Conn05Name=IN_SYNC+, Conn06Name=IN_SYNC-, Conn07Name=IN_SYNC-, Conn08Name=IN_SYNC+
XS1: library part 445, Manufacturer="KLS Electronic Co. Ltd", Package=L-KLS1, PartNumber="Розетка L-KLS1-151-W", TemperatureRange="от минус 35 до 85", CardKRR=75, ComponentLink1Description=L-KLS1, ComponentLink1URL=\\192.168.0.101\U_Base\PDF\X\L-KLS1-151-W.pdf, Conn01Name=1, Conn02Name=2, Conn03Name=3, Conn04Name=4, Conn05Name=5, Conn06Name=6, Conn07Name=7, Conn08Name=8, Conn09Name=9, Conn10Name=10, Conn11Name=11, Conn12Name=12, Conn13Name=13, Conn14Name=14, Conn15Name=15, Conn16Name=16, Conn17Name=17, Conn18Name=18, Conn19Name=19, Conn20Name=20, Conn21Name=21, Conn22Name=22, Conn23Name=23, Conn24Name=24, Conn25Name=25, Conn26Name=26, Conn27Name=27, Conn28Name=28, Conn29Name=29, Conn30Name=30, Conn31Name=31, Conn32Name=32, Conn33Name=33, Conn34Name=34, Conn35Name=35, Conn36Name=36, Conn37Name=37, Conn38Name=38, Conn39Name=39, Conn40Name=40, DataSheet=#\\192.168.0.101\U_Base\PDF\X\L-KLS1-151-W.pdf#, Group=Соединители, HelpURL=\\192.168.0.101\U_Base\PDF\X\L-KLS1-151-W.pdf, Key=445, MilitaryControl=отк, Modify=01.09.2022, MountType=РМ, Name=L-KLS1-151-W, ViewControl=В,100%
ZQ1: library part 9, Manufacturer="ОАО «Пьезо»", ManufacturerTU=ТУ6321-006-07604008-04, Package=HC49, PartNumber="Резонатор кварцевый РК456МДУ-6ДТ-8M-20 пФ-В", PowerLimit=0,002, TemperatureRange="от минус 60 до 85", Alternative="HC49-SМ 8,000 МГц", CardKRR=69, ComponentLink1URL=\\192.168.0.253\U_Base\PDF\OTHER\РК456МДУ.pdf, DataSheet=#\\192.168.0.253\U_Base\PDF\OTHER\РК456МДУ.pdf#, Group="Резонатор кварцевый", HelpURL=\\192.168.0.253\U_Base\PDF\OTHER\РК456МДУ.pdf, Key=9, Mark=8.000, MilitaryControl=ВП, Modify=14.03.2019, MountType=РМ, Name=РК456МДУ-6ДТ-8M, SolderName=RK456MDU-6DT, ViewControl=В,100%, X_SORT_1=800, X_SORT_2=800, X_SORT_3=1

## Free pads (board coordinates)
  round 6 hole 3.2 unplated: 0(15,15) 0(15,85) 0(165,15) 0(165,85)

## Via types
v1: diameter 0.9, hole 0.4, Top Layer 1 to Bottom Layer 1, 22 vias
v2: diameter 0.5, hole 0.2, Top Layer 1 to Bottom Layer 1, 4 vias
v3: diameter 0.9, hole 0.4, Signal1 to Signal2, 1 vias

## Nets (pads, with @x,y where several pads share a name; then routed paths per layer and width w, separated by ;. In a path a pad name is that pad's centre, name@x,y a point inside that pad or via, vN(x,y) a via of type N, cw(c..) or ccw(c..) an arc to the next point about the centre after c; other vN are vias at no path point)
+3.3V_A: C13.2 C15.2 C17.2 C19.2 C21.2 C35.2 C37.2 DA2.3 DA2.7 DA2.19 DA2.23 DA3.3 DA3.7 DA3.19 DA3.23 DD4.38 DD4.39 KT57.1 L3.2 R16.2 XP4.1 XP4.6 XP5.1 XP5.6 XP6.1 XP6.6 XP7.1 XP7.6 XP8.1 XP8.6 | length 67.7
  Top Layer 1 w0.2: C15.2@169.2,53.1 169.2,53.383 169.7,53.883 169.983,53.883 172.07,55.97 XP6.6@172.07,57.36
  Top Layer 1 w0.5: C19.2@169.2,77.5 169.243,77.457 169.243,74.627 170.03,73.84 170.106,73.84 170.843,73.103 170.843,70.533 172.07,69.306 XP7.6@172.07,69.26 171.974,69.164 171.974,68.234 170.175,66.435 169.55,66.435 169.2,66.085 C17.2@169.2,65.5 169.243,65.457 169.243,62.727 170.03,61.94 170.076,61.94 170.843,61.173 170.843,58.903 171.667,58.078 171.667,58.033 172.07,57.631 XP6.6@172.07,57.36 ; C15.2@169.4,52.8 169.4,50.17 170.18,49.39 170.8,48.77 170.8,46.2 172.04,44.96 XP5.6@172.07,44.96 169.66,42.55 169.6,42.55 169.1,42.05 C13.2@169.1,41.4 169.3,41.2 169.3,38.37 170.03,37.64 170.06,37.64 170.8,36.9 170.8,34.4 172.07,33.13 XP4.6@172.07,33.06 172.025,33.015 172.025,32.127 170.068,30.17 169.785,30.17 169.275,29.66 169.275,29.378 169.275,26.498 170.145,25.628 170.245,25.628 170.875,24.998 170.875,22.398 172.185,21.088 XP8.6@172.185,21.048
+3.3V_D: C1.2 C2.2 C3.2 C4.2 C27.2 C28.2 C29.2 C31.2 C39.2 C40.2 C41.2 C42.2 C43.2 C44.2 C45.2 C46.2 C47.2 C48.2 C49.2 DA1.3 DD4.15 DD4.23 DD4.36 DD4.49 DD4.62 DD4.72 DD4.82 DD4.91 DD4.103 DD4.114 DD4.127 DD4.136 DD4.149 DD4.159 DD4.172 KT43.1 L3.1 R3.1 R8.2 R9.2 R11.2 R12.1 R13.1 R14.2 R15.2 R16.1 R23.2 R24.2 R25.2 R26.2 VD5.A XP1.26 XP1.28 XP1.34 XP2.2 XP3.9 XP3.11 XP3.12 XP11.1 XP14.1 XP14.8 | length 144.5
  Top Layer 1 w0.2: C40.2@82.424,62.726 C40.2@82.549,62.601 ; C39.2@87.1,62.925 C39.2@87.35,62.675 ; C43.2@98.875,52.75 C43.2@99.225,53.1 ; C44.2@99.55,42.25 99.725,42.425 C44.2@99.725,42.5
  Top Layer 1 w0.3: R3.1@31.675,31.4 33.5,31.4 v1(33.6,31.5) ; R14.2@45.1,21.4 R8.2@45.1,24.4 R15.2@45.1,30 R9.2@45.1,33 ; C41.2@74.263,64.887 75.95,63.2 DD4.82@75.95,58.75 ; C46.2@74.4,30.975 74.449,31.024 74.449,32.504 ; 74.45,32.505 74.45,32.712 DD4.136@74.45,33.25 ; DD4.149@80.95,33.25 80.95,30.75 C47.2@81.2,30.5 ; DD4.72@80.95,58.75 80.95,61.5 82.375,62.925 C40.2@82.6,62.925 ; C48.2@85.95,30.55 DD4.159@85.95,33.05 ; DD4.62@85.95,58.75 85.95,61.775 86.55,62.375 86.55,62.6 86.875,62.925 C39.2@87.1,62.925 ; R11.2@90.5,28.5 90.6,28.4 90.6,27.925 91.3,27.225 R13.1@91.3,27.2 ; C42.2@92.1,62.8 92.247,62.8 92.447,62.6 92.447,59.498 92.45,59.495 92.45,59.288 DD4.49@92.45,58.75 ; C49.2@92.45,30.55 DD4.172@92.45,33.05 ; DD4.15@96.45,42.25 C44.2@99.55,42.25 ; DD4.36@96.45,52.75 C43.2@98.875,52.75
  Top Layer 1 w0.5: XP14.1@6.76,77.24 7.26,76.74 7.36,76.74 8.1,76 ; XP14.8@9.3,69.62 8.1,70.82 8.1,76 ; C2.2@20.4,87.025 20.625,87.025 20.85,86.8 20.85,86.593 21.143,86.3 C1.2@23.2,86.3 ; C4.2@20.4,93.125 20.625,93.125 21.25,92.5 23.1,92.5 C3.2@23.2,92.6 ; DA1.3@26.1,63.4 26.1,66.8 29.136,69.836 36.171,69.836 C28.2@36.193,69.858 36.235,69.9 41.151,69.9 C29.2@41.193,69.858 41.385,70.05 43.25,70.05 43.536,70.336 44.628,70.336 44.693,70.4 49.476,70.4 R16.1@49.599,70.277 ; XP1.34@26.76,86.7 26.489,86.7 26.289,86.5 23.4,86.5 C1.2@23.2,86.3 ; 8.1,76 15.1,76 23.2,84.1 C1.2@23.2,86.3
  Bottom Layer 1 w0.3: v1(33.6,31.5) 37.58,35.48 XP11.1@41.1,35.48 ; XP1.28@34.38,86.7 XP1.26@36.92,86.7 38.19,87.97 38.19,92.9 ; XP3.9@36.92,92.9 38.19,92.9 ; XP3.12@39.46,95.44 XP3.11@39.46,92.9 38.19,92.9
+5V_A: C36.2 C38.2 C70.2 C71.2 DA4.4 DA5.4 KT58.1 L4.2 R18.2 | length 26.9
  Top Layer 1 w0.2: C36.2@34.237,51.712 C36.2@34.276,51.751
  Top Layer 1 w0.5: C36.2@34.237,51.712 34.237,51.182 34.587,50.832 35.268,50.832 36.805,49.295 37.225,49.295 37.45,49.07 R18.2@37.45,48.67 ; C36.2@34.276,51.751 C38.2@34.276,54.483 ; L4.2@37.419,46.022 37.45,46.053 R18.2@37.45,48.67 ; KT58.1@39.2,48.7 37.48,48.7 R18.2@37.45,48.67 ; C71.2@127.775,33.6 127.8,33.575 127.8,28.416 128.386,27.83 DA5.4@129.7,27.83 ; DA4.4@149.8,41.2 151.1,41.2 151.825,40.475 C70.2@151.825,35.5